# KiCad board data-center-rdimm-ddr5-tester.kicad_pcb (continued)
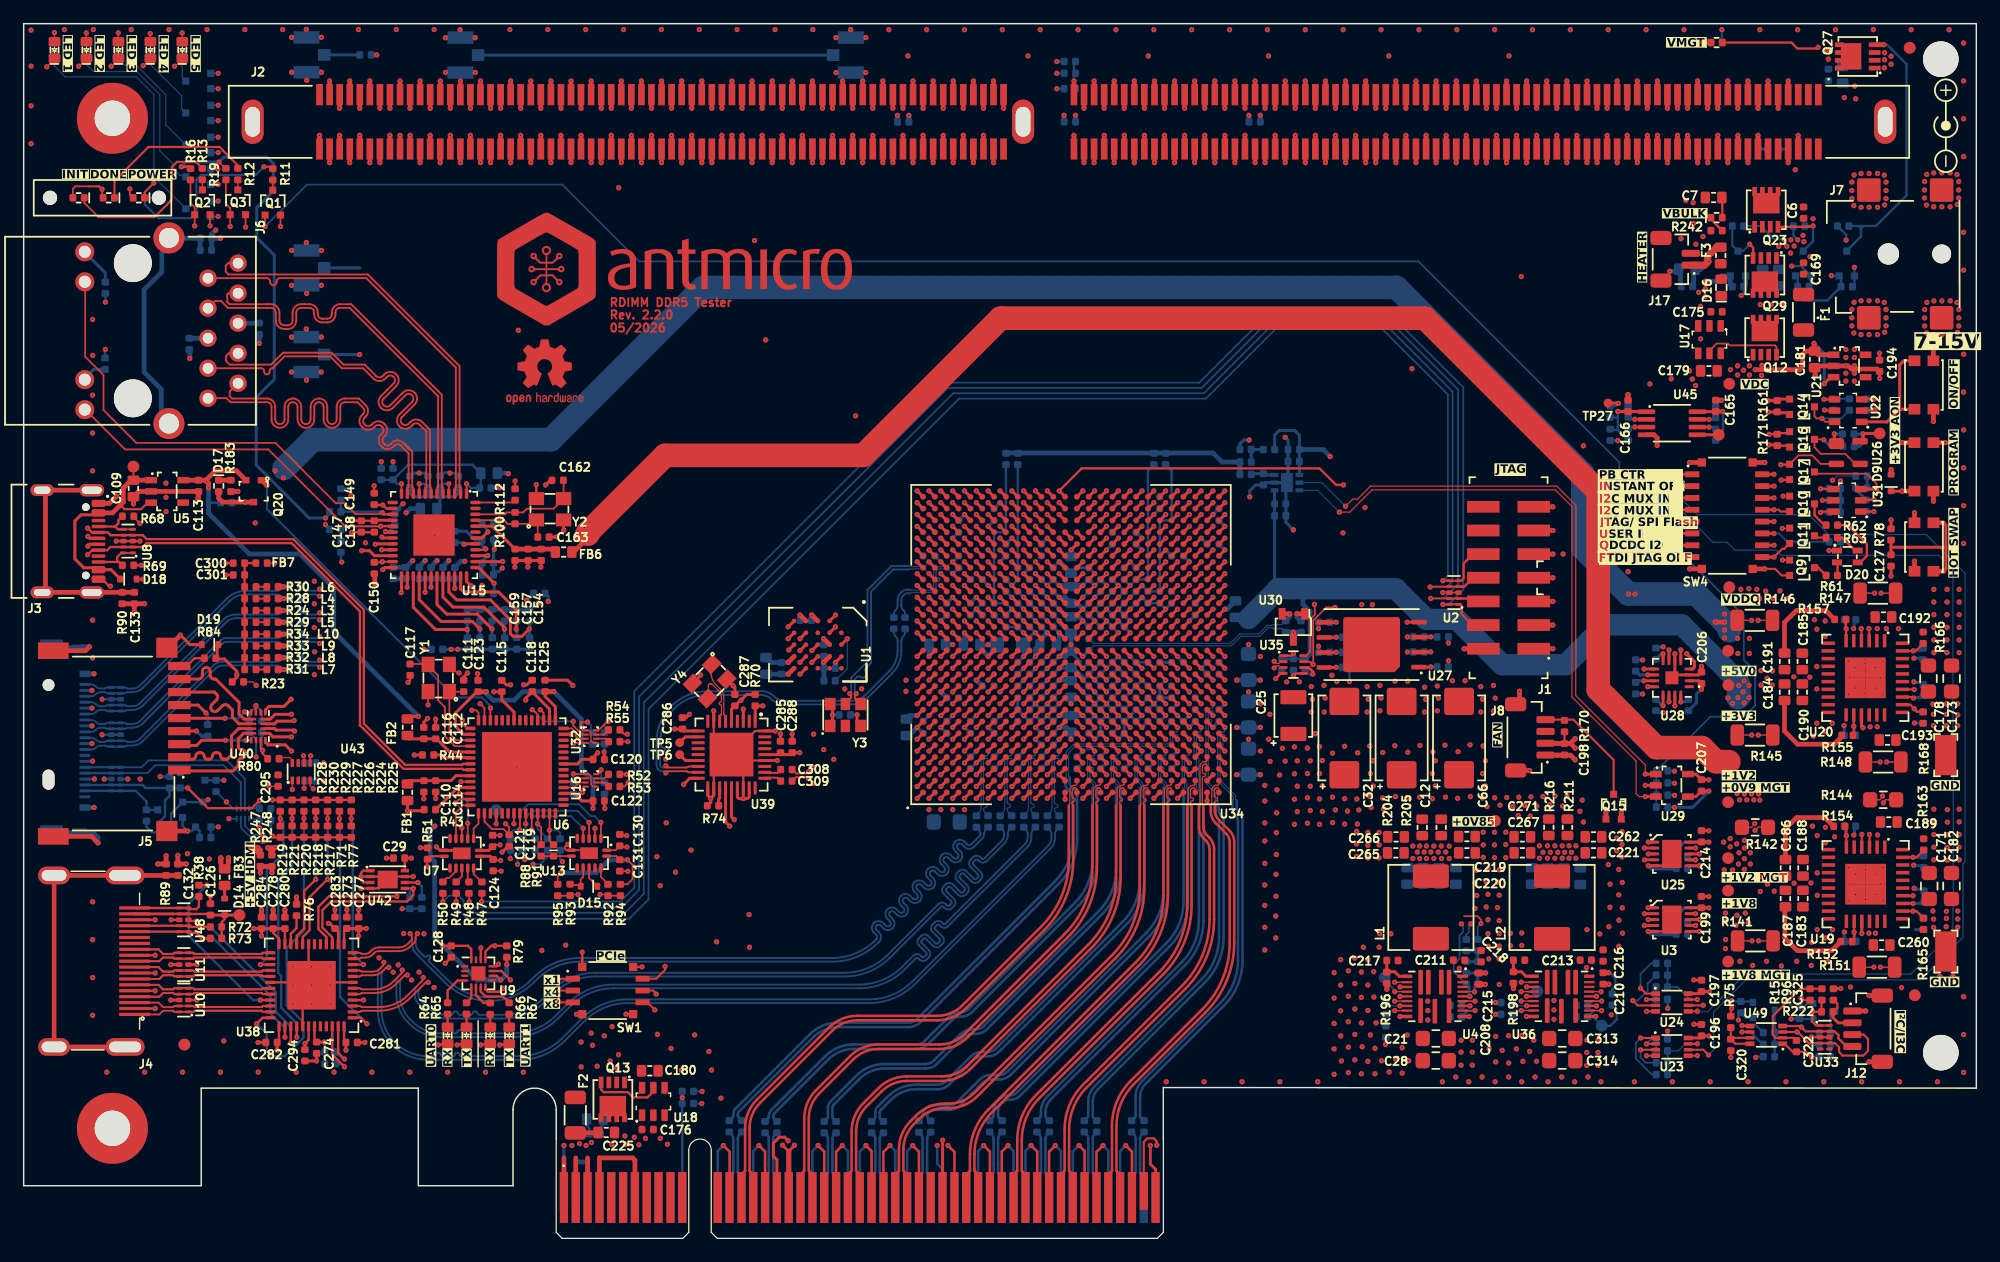
[diagram p0: board, top side]
## Routing (per net, layer and track width the routed paths; a pad name or vN(x,y) marks a point on that pad's centre or on a via; arc(x,y) is an arc through that point) (continued)
/DDR5 RDIMM/A.DQ0: length 113.3
  Top w0.256: U34.AA19 v1(96.5,56.2)
  Top w0.38: 146.55,96.7 v1(146.55,95.55)
  In2.Cu w0.148: v1(146.55,95.55) 145.97,94.97 145.97,92.38 146.6,91.75 146.6,90.75 144.05,88.2 139.1,88.2 124.9,74 122,74 120.54,72.54 arc(120.27,72.43) 120.01,72.54 119.78,72.77 arc(119.75,72.85) 119.78,72.93 arc(119.81,73.01) 119.78,73.09 119.62,73.25 arc(119.54,73.28) 119.46,73.25 arc(119.38,73.21) 119.3,73.25 118.78,73.77 arc(118.51,73.88) 118.25,73.77 arc(118.14,73.5) 118.25,73.24 119.48,72.01 arc(119.59,71.74) 119.48,71.48 arc(119.21,71.37) 118.95,71.48 117.72,72.71 arc(117.45,72.82) 117.19,72.71 arc(117.08,72.44) 117.19,72.18 118.42,70.95 arc(118.53,70.68) 118.42,70.42 arc(118.15,70.31) 117.89,70.42 116.66,71.65 arc(116.39,71.76) 116.12,71.65 arc(116.02,71.38) 116.12,71.12 117.36,69.89 arc(117.47,69.62) 117.36,69.36 arc(117.09,69.25) 116.83,69.36 115.59,70.59 arc(115.33,70.7) 115.06,70.59 arc(114.95,70.32) 115.06,70.06 116.3,68.83 arc(116.41,68.56) 116.3,68.3 arc(116.03,68.19) 115.77,68.3 114.53,69.53 arc(114.27,69.64) 114,69.53 arc(113.89,69.26) 114,69 115.24,67.77 arc(115.34,67.5) 115.24,67.23 114.95,66.95 114.95,65.6 114.47,65.12 arc(114.25,65.22) 114.15,65.45 114.15,67.1 arc(114.05,67.33) 113.82,67.42 arc(113.6,67.33) 113.5,67.1 113.5,66.95 arc(113.4,66.72) 113.18,66.62 111.49,66.62 arc(111.26,66.53) 111.17,66.3 arc(111.26,66.07) 111.49,65.97 113.18,65.97 arc(113.4,65.88) 113.5,65.65 113.5,65.45 arc(113.4,65.22) 113.18,65.12 111.88,65.12 111.58,64.83 arc(111.35,64.73) 111.12,64.83 110.62,65.32 arc(110.39,65.42) 110.16,65.32 arc(110.07,65.09) 110.16,64.86 110.66,64.37 arc(110.75,64.14) 110.66,63.91 arc(110.43,63.81) 110.2,63.91 109.7,64.4 arc(109.47,64.5) 109.24,64.4 arc(109.15,64.17) 109.24,63.94 109.74,63.45 arc(109.83,63.22) 109.74,62.99 arc(109.51,62.89) 109.28,62.99 108.78,63.48 arc(108.55,63.58) 108.32,63.48 arc(108.23,63.25) 108.32,63.02 108.82,62.53 arc(108.91,62.3) 108.82,62.07 arc(108.59,61.97) 108.36,62.07 107.86,62.56 arc(107.63,62.66) 107.41,62.56 arc(107.31,62.33) 107.41,62.1 107.9,61.61 arc(108,61.38) 107.9,61.15 107.85,61.1 107.85,59.6 103,54.75 98.39,54.75 98.1,55.03 98.1,55.3 97.6,55.8 97.22,55.8 96.82,56.2 v1(96.5,56.2)
/DDR5 RDIMM/A.DQ1: length 110.7
  Top w0.256: U34.AA20 v1(96.5,57.2)
  Top w0.38: J2.9 v1(144.85,95.55)
  In2.Cu w0.148: v1(96.5,57.2) 97.1,56.6 102.45,56.6 105.8,59.95 105.8,72.83 108.67,75.7 123.8,75.7 133.55,85.45 133.55,88.45 135.15,90.05 135.15,91.4 134.45,92.1 134.45,95.65 133.35,96.75 132.2,96.75 130.8,98.15 130.8,99.15 131.3,99.65 132.7,99.65 arc(132.98,99.53) 133.1,99.25 133.1,97.9 arc(133.22,97.62) 133.5,97.5 arc(133.78,97.62) 133.9,97.9 133.9,99.25 arc(134.02,99.53) 134.3,99.65 134.76,99.65 arc(135.03,99.54) 135.13,99.27 135.13,98.66 arc(135.24,98.39) 135.51,98.28 arc(135.78,98.39) 135.88,98.66 135.88,99.27 arc(135.99,99.54) 136.26,99.65 136.62,99.65 137.28,98.99 137.28,96.91 136.35,95.98 136.35,95.55 136.1,95.3 136.1,92.55 137,91.65 138.88,91.65 141.03,89.5 143.4,89.5 144.93,91.02 144.93,91.63 145.35,92.05 145.35,95.05 v1(144.85,95.55)
/DDR5 RDIMM/A.DQ2: length 112.7
  Top w0.256: U34.AB19 v1(97.5,56.2)
  Top w0.38: J2.152 v1(145.7,90.95)
  In2.Cu w0.148: v1(97.5,56.2) 97.8,56.2 98.25,55.75 102.8,55.75 106.8,59.75 106.8,63.7 arc(106.92,64) 107.22,64.12 107.53,64.12 arc(107.83,64.25) 107.95,64.55 arc(107.83,64.85) 107.53,64.97 107.22,64.97 arc(106.92,65.1) 106.8,65.4 arc(106.92,65.7) 107.22,65.82 109.22,65.82 arc(109.53,65.95) 109.65,66.25 arc(109.53,66.55) 109.22,66.67 107.22,66.67 arc(106.92,66.8) 106.8,67.1 106.8,67.2 arc(106.92,67.48) 107.2,67.6 112.5,67.6 arc(112.78,67.72) 112.9,68 arc(112.78,68.28) 112.5,68.4 107.2,68.4 arc(106.92,68.52) 106.8,68.8 arc(106.92,69.1) 107.22,69.22 108.22,69.22 arc(108.53,69.35) 108.65,69.65 arc(108.53,69.95) 108.22,70.07 107.22,70.07 arc(106.92,70.2) 106.8,70.5 arc(106.92,70.78) 107.2,70.9 arc(107.48,71.02) 107.6,71.3 107.6,71.35 arc(107.48,71.63) 107.2,71.75 arc(106.92,71.87) 106.8,72.15 106.8,72.57 109.12,74.9 112.9,74.9 arc(113.17,74.79) 113.28,74.52 113.28,73.38 arc(113.38,73.11) 113.65,73 arc(113.92,73.11) 114.03,73.38 114.03,74.52 arc(114.13,74.79) 114.4,74.9 arc(114.67,74.79) 114.78,74.52 114.78,72.92 arc(114.88,72.66) 115.15,72.55 arc(115.42,72.66) 115.53,72.92 115.53,74.52 arc(115.63,74.79) 115.9,74.9 arc(116.17,74.79) 116.28,74.52 116.28,74.42 arc(116.38,74.16) 116.65,74.05 arc(116.92,74.16) 117.03,74.42 117.03,74.52 arc(117.13,74.79) 117.4,74.9 124.4,74.9 135.56,86.06 arc(135.69,86.36) 135.56,86.66 134.61,87.62 arc(134.47,87.95) 134.61,88.29 arc(134.95,88.43) 135.28,88.29 136.2,87.37 arc(136.54,87.23) 136.87,87.37 arc(137.01,87.71) 136.87,88.04 135.95,88.96 arc(135.81,89.3) 135.95,89.63 arc(136.29,89.77) 136.63,89.63 arc(136.84,89.54) 137.05,89.63 137.49,90.08 arc(137.71,90.17) 137.92,90.08 arc(138.01,89.87) 137.92,89.65 137.47,89.21 arc(137.39,89) 137.47,88.78 137.59,88.67 arc(137.88,88.55) 138.17,88.67 138.4,88.9 138.7,88.9 arc(138.93,89) 139.03,89.22 arc(139.12,89.45) 139.35,89.55 arc(139.58,89.45) 139.68,89.22 arc(139.77,89) 140,88.9 143.75,88.9 145.7,90.86 v1(145.7,90.95)
/DDR5 RDIMM/A.DQ3: length 110.4
  Top w0.256: U34.AB20 v1(97.5,57.2)
  Top w0.38: J2.154 v1(144,90.95)
  In2.Cu w0.148: v1(144,90.95) 143.25,90.2 141.25,90.2 140.6,90.85 arc(140.47,91.17) 140.6,91.49 140.81,91.7 arc(140.94,92.02) 140.81,92.34 arc(140.49,92.47) 140.17,92.34 139.96,92.13 arc(139.64,91.99) 139.32,92.12 139.15,92.3 137.25,92.3 136.6,92.95 136.6,93.85 137.1,94.35 137.95,94.35 138.1,94.5 138.1,97 139.95,98.85 139.95,100.13 139.07,101 138.37,101 arc(138.16,100.92) 138.08,100.72 arc(137.99,100.51) 137.79,100.43 137.57,100.43 arc(137.36,100.51) 137.28,100.72 arc(137.19,100.92) 136.99,101 136.77,101 arc(136.56,100.92) 136.48,100.72 arc(136.39,100.51) 136.19,100.43 135.97,100.43 arc(135.76,100.51) 135.68,100.72 arc(135.59,100.92) 135.39,101 135.17,101 arc(134.96,100.92) 134.88,100.72 arc(134.79,100.51) 134.59,100.43 134.37,100.43 arc(134.16,100.51) 134.08,100.72 arc(133.99,100.92) 133.79,101 133.57,101 arc(133.36,100.92) 133.28,100.72 arc(133.19,100.51) 132.99,100.43 132.77,100.43 arc(132.56,100.51) 132.48,100.72 arc(132.39,100.92) 132.19,101 131.97,101 arc(131.76,100.92) 131.68,100.72 arc(131.59,100.51) 131.39,100.43 131.17,100.43 arc(130.96,100.51) 130.88,100.72 arc(130.79,100.92) 130.59,101 130.35,101 129.3,99.95 129.3,99.61 arc(129.41,99.34) 129.68,99.23 129.82,99.23 arc(130.09,99.13) 130.2,98.86 arc(130.09,98.59) 129.82,98.48 129.68,98.48 arc(129.41,98.38) 129.3,98.11 129.3,97.8 130.46,96.64 131.04,96.64 132.4,95.29 132.4,95.12 arc(132.5,94.87) 132.75,94.77 133.35,94.77 arc(133.6,94.67) 133.7,94.42 arc(133.6,94.17) 133.35,94.07 132.75,94.07 arc(132.5,93.97) 132.4,93.72 132.4,92.45 133.6,91.25 133.6,90.49 132.55,89.44 132.55,86.05 123.1,76.6 108.35,76.6 104.97,73.22 104.97,60.22 102.35,57.6 98.2,57.6 97.8,57.2 v1(97.5,57.2)
/DDR5 RDIMM/A.DQ4: length 110.9
  Top w0.256: U34.AA18 v1(96.5,55.2)
  Top w0.38: J2.14 v1(140.6,95.55)
  In2.Cu w0.148: v1(140.6,95.55) 140.38,95.77 140.38,97.43 142.54,99.6 149.95,99.6 152.05,97.5 152.05,89.55 146.22,83.72 146.01,83.51 arc(145.78,83.41) 145.55,83.51 145.08,83.98 arc(144.85,84.08) 144.62,83.98 arc(144.52,83.75) 144.62,83.52 145.09,83.05 arc(145.18,82.82) 145.09,82.59 144.6,82.1 144.43,82.1 arc(144.18,82.2) 144.07,82.45 144.07,83.2 arc(143.97,83.45) 143.72,83.55 arc(143.48,83.45) 143.38,83.2 143.38,82.45 arc(143.27,82.2) 143.03,82.1 142.35,82.1 140.18,79.92 140.18,79.7 arc(140.27,79.47) 140.5,79.37 140.75,79.37 arc(140.98,79.28) 141.08,79.05 arc(140.98,78.82) 140.75,78.72 140.5,78.72 arc(140.27,78.63) 140.18,78.4 140.18,78.17 121.85,59.85 116.45,59.85 108.35,51.75 107.15,51.75 106.05,50.65 104.65,50.65 104.22,51.07 102.9,51.07 102.18,50.35 95.68,50.35 95.03,51 95.03,54.33 95.45,54.75 96.05,54.75 v1(96.5,55.2)
/DDR5 RDIMM/A.DQ5: length 109.4
  Top w0.256: U34.Y18 v1(95.5,55.2)
  Top w0.38: J2.16 v1(138.9,95.55)
  In2.Cu w0.148: v1(95.5,55.2) 95.2,55.2 94.72,54.72 94.3,54.72 94,54.42 94,51.07 95.12,49.95 102.57,49.95 103.25,50.62 103.74,50.62 104.11,50.25 108.75,50.25 110.15,51.65 110.15,52.25 110.6,52.7 111.2,52.7 117.5,59 122.57,59 152.95,89.37 152.95,97.53 150.3,100.17 142.28,100.17 138.9,96.8 v1(138.9,95.55)
/DDR5 RDIMM/A.DQ6: length 112.1
  Top w0.256: U34.AA17 v1(96.5,54.2)
  Top w0.38: 139.75,92.1 v1(139.75,93.25)
  In2.Cu w0.1: 96.95,52.28 96.51,52.72 96.32,52.72 96.12,52.93 96.12,53.37 96.5,53.75 v1(96.5,54.2)
  In2.Cu w0.148: 96.95,52.28 96.97,52.26 96.97,51.92 97.15,51.75 101.97,51.75 102.27,52.05 104.65,52.05 114.2,61.6 120.85,61.6 122.63,63.38 arc(122.72,63.59) 122.63,63.8 122.35,64.08 arc(122.27,64.29) 122.35,64.5 arc(122.57,64.59) 122.78,64.5 123.05,64.23 arc(123.27,64.14) 123.48,64.23 arc(123.57,64.44) 123.48,64.65 123.2,64.93 arc(123.11,65.14) 123.2,65.35 arc(123.41,65.44) 123.63,65.35 123.9,65.08 arc(124.11,64.99) 124.33,65.08 arc(124.41,65.29) 124.33,65.5 124.05,65.78 arc(123.96,65.99) 124.05,66.2 arc(124.26,66.29) 124.47,66.2 124.75,65.92 arc(124.96,65.84) 125.17,65.92 arc(125.26,66.14) 125.17,66.35 124.9,66.62 arc(124.81,66.84) 124.9,67.05 arc(125.11,67.14) 125.32,67.05 125.6,66.77 arc(125.81,66.68) 126.02,66.77 arc(126.11,66.98) 126.02,67.2 125.75,67.47 arc(125.66,67.68) 125.75,67.9 arc(125.96,67.98) 126.17,67.9 126.45,67.62 arc(126.66,67.53) 126.87,67.62 arc(126.96,67.83) 126.87,68.05 126.6,68.32 arc(126.51,68.53) 126.6,68.74 arc(126.81,68.83) 127.02,68.74 127.3,68.47 arc(127.51,68.38) 127.72,68.47 arc(127.81,68.68) 127.72,68.89 127.44,69.17 arc(127.36,69.38) 127.44,69.59 arc(127.66,69.68) 127.87,69.59 128.14,69.32 arc(128.36,69.23) 128.57,69.32 arc(128.66,69.53) 128.57,69.74 128.29,70.02 arc(128.21,70.23) 128.29,70.44 arc(128.51,70.53) 128.72,70.44 128.99,70.17 arc(129.2,70.08) 129.42,70.17 arc(129.5,70.38) 129.42,70.59 129.14,70.87 arc(129.05,71.08) 129.14,71.29 arc(129.35,71.38) 129.57,71.29 129.84,71.02 arc(130.05,70.93) 130.27,71.02 arc(130.35,71.23) 130.27,71.44 129.99,71.71 arc(129.9,71.93) 129.99,72.14 arc(130.2,72.23) 130.41,72.14 130.69,71.86 arc(130.9,71.78) 131.11,71.86 arc(131.2,72.08) 131.11,72.29 130.84,72.56 arc(130.75,72.78) 130.84,72.99 arc(131.05,73.08) 131.26,72.99 131.54,72.71 arc(131.75,72.62) 131.96,72.71 132.2,72.95 132.2,74.1 143.32,85.22 145.55,85.22 150.38,90.05 150.38,97.32 149.28,98.42 143.7,98.42 141.85,96.57 141.85,95.35 v1(139.75,93.25)
/DDR5 RDIMM/A.DQ7: length 111.3
  Top w0.256: U34.Y17 v1(95.5,54.2)
  Top w0.38: J2.161 v1(138.05,93.25)
  In2.Cu w0.1: v1(95.5,54.2) 95.5,53.82 95.88,53.45 95.88,52.57 95.97,52.47
  In2.Cu w0.148: 95.97,52.47 95.97,51 96.25,50.72 101.85,50.72 102.65,51.52 104.43,51.52 104.95,51 105.65,51 106.95,52.3 107.95,52.3 108.35,52.7 108.35,53.75 115.28,60.67 121.43,60.67 132.93,72.18 133.19,72.44 arc(133.29,72.68) 133.19,72.93 133,73.12 arc(132.89,73.37) 133,73.61 arc(133.24,73.72) 133.49,73.61 133.68,73.43 arc(133.93,73.32) 134.18,73.43 arc(134.28,73.67) 134.18,73.92 133.99,74.11 arc(133.88,74.36) 133.99,74.6 arc(134.23,74.71) 134.48,74.6 134.67,74.42 arc(134.92,74.31) 135.17,74.42 arc(135.27,74.66) 135.17,74.91 134.98,75.1 arc(134.87,75.35) 134.98,75.59 arc(135.22,75.7) 135.47,75.59 135.66,75.41 arc(135.91,75.3) 136.16,75.41 arc(136.26,75.65) 136.16,75.9 135.97,76.09 arc(135.86,76.34) 135.97,76.58 arc(136.21,76.69) 136.46,76.58 136.65,76.4 arc(136.9,76.29) 137.15,76.4 arc(137.25,76.64) 137.15,76.89 136.96,77.08 arc(136.85,77.33) 136.96,77.57 arc(137.2,77.68) 137.45,77.57 137.64,77.39 arc(137.89,77.28) 138.14,77.39 arc(138.24,77.63) 138.14,77.88 137.95,78.07 arc(137.84,78.32) 137.95,78.56 arc(138.19,78.67) 138.44,78.56 138.63,78.37 arc(138.88,78.27) 139.12,78.37 139.3,78.55 139.3,80.15 143.72,84.57 145.93,84.57 151.25,89.9 151.25,97.31 149.56,99 143.35,99 141.22,96.87 141.22,95.52 139.88,94.18 138.97,94.18 v1(138.05,93.25)
/DDR5 RDIMM/A.DQ8: length 82.7
  Top w0.256: U34.AF18 v1(101.5,55.2)
  Top w0.38: J2.18 v1(137.2,95.55)
  In4.Cu w0.148: v1(137.2,95.55) 136.65,95 136.65,92.25 137,91.9 137,85.8 136.5,85.3 136.5,78.95 127.85,70.3 arc(127.46,70.14) 127.07,70.3 125.73,71.64 arc(125.3,71.82) 124.88,71.64 arc(124.7,71.22) 124.88,70.79 125.15,70.52 arc(125.25,70.28) 125.15,70.03 124.94,69.82 arc(124.83,69.57) 124.94,69.32 arc(125.18,69.22) 125.43,69.32 125.64,69.53 arc(125.89,69.64) 126.14,69.53 126.31,69.37 arc(126.43,69.06) 126.31,68.76 118.82,61.27 113.55,61.27 113.28,61 arc(113.17,60.75) 113.28,60.51 113.45,60.33 arc(113.68,60.23) 113.91,60.33 114.16,60.58 arc(114.39,60.67) 114.62,60.58 arc(114.72,60.35) 114.62,60.12 114.37,59.87 arc(114.28,59.64) 114.37,59.41 114.83,58.95 arc(114.94,58.7) 114.83,58.46 arc(114.59,58.35) 114.34,58.46 112.78,60.01 arc(112.53,60.12) 112.29,60.01 112.23,59.96 arc(112.12,59.69) 112.23,59.43 113.06,58.61 arc(113.17,58.34) 113.06,58.08 arc(112.79,57.97) 112.53,58.08 111.7,58.9 arc(111.44,59.01) 111.17,58.9 arc(111.06,58.63) 111.17,58.37 111.75,57.79 arc(111.86,57.53) 111.75,57.26 arc(111.48,57.15) 111.22,57.26 110.64,57.84 arc(110.38,57.95) 110.11,57.84 109.88,57.6 108.8,57.6 106.4,55.2 v1(101.5,55.2)
/DDR5 RDIMM/A.DQ9: length 82.8
  Top w0.256: U34.AF19 v1(101.5,56.2)
  Top w0.38: J2.20 v1(135.5,95.55)
  In4.Cu w0.148: v1(101.5,56.2) 105.25,56.2 112.38,63.32 116.93,63.32 121.07,67.47 121.07,67.67 arc(121.18,67.92) 121.43,68.02 122.64,68.02 arc(122.89,68.13) 122.99,68.38 arc(122.89,68.62) 122.64,68.72 121.43,68.72 arc(121.18,68.83) 121.07,69.07 arc(121.18,69.32) 121.43,69.42 122.64,69.42 arc(122.89,69.53) 122.99,69.77 arc(122.89,70.02) 122.64,70.12 121.43,70.12 arc(121.18,70.23) 121.07,70.47 arc(121.18,70.72) 121.43,70.82 122.64,70.82 arc(122.89,70.93) 122.99,71.17 arc(122.89,71.42) 122.64,71.52 121.43,71.52 arc(121.18,71.63) 121.07,71.88 arc(121.18,72.12) 121.43,72.22 122.64,72.22 arc(122.89,72.33) 122.99,72.57 arc(122.89,72.82) 122.64,72.92 121.43,72.92 arc(121.18,73.03) 121.07,73.27 121.07,73.9 122.03,74.85 122.35,74.85 arc(122.62,74.74) 122.72,74.47 122.72,73.88 arc(122.83,73.61) 123.1,73.5 arc(123.37,73.61) 123.47,73.88 123.47,74.47 arc(123.58,74.74) 123.85,74.85 arc(124.12,74.74) 124.22,74.47 124.22,73.88 arc(124.33,73.61) 124.6,73.5 arc(124.87,73.61) 124.97,73.88 124.97,74.47 arc(125.08,74.74) 125.35,74.85 arc(125.62,74.74) 125.72,74.47 125.72,73.88 arc(125.83,73.61) 126.1,73.5 arc(126.37,73.61) 126.47,73.88 126.47,74.47 arc(126.58,74.74) 126.85,74.85 127.3,74.85 134.28,81.82 134.28,85.55 135.55,86.82 135.55,92.15 136,92.6 136,95.15 135.6,95.55 v1(135.5,95.55)
/DDR5 RDIMM/A.DQ10: length 84.8
  Top w0.256: U34.AC19 v1(98.5,56.2)
  Top w0.38: J2.163 v1(136.35,90.95)
  In4.Cu w0.148: 98.5,56.2 98.83,56.2 99.39,55.64 105.84,55.64 108.74,58.54 109.31,58.54 113.1,62.32 118.1,62.32 123.85,68.07 123.85,72 124.6,72.75 126.03,72.75 126.88,71.9 arc(127.04,71.79) 127.23,71.75 127.37,71.75 arc(127.56,71.79) 127.72,71.9 127.95,72.12 arc(128.05,72.35) 127.95,72.58 127.28,73.25 arc(127.19,73.48) 127.28,73.71 arc(127.51,73.81) 127.74,73.71 128.41,73.04 arc(128.64,72.95) 128.87,73.04 arc(128.96,73.27) 128.87,73.5 128.2,74.17 arc(128.11,74.4) 128.2,74.63 arc(128.43,74.73) 128.66,74.63 129.33,73.96 arc(129.56,73.87) 129.79,73.96 arc(129.88,74.19) 129.79,74.42 129.12,75.09 arc(129.03,75.32) 129.12,75.55 arc(129.35,75.65) 129.58,75.55 130.25,74.88 arc(130.48,74.79) 130.71,74.88 arc(130.8,75.11) 130.71,75.34 130.04,76.01 arc(129.94,76.24) 130.04,76.47 arc(130.27,76.57) 130.5,76.47 131.17,75.8 arc(131.4,75.71) 131.63,75.8 arc(131.72,76.03) 131.63,76.26 130.96,76.93 arc(130.86,77.16) 130.96,77.39 arc(131.19,77.48) 131.42,77.39 132.09,76.72 arc(132.32,76.63) 132.55,76.72 arc(132.64,76.95) 132.55,77.18 131.88,77.85 arc(131.78,78.08) 131.88,78.31 arc(132.11,78.4) 132.34,78.31 133.01,77.64 arc(133.24,77.55) 133.47,77.64 arc(133.56,77.87) 133.47,78.1 132.8,78.77 arc(132.7,79) 132.8,79.23 arc(133.03,79.32) 133.26,79.23 133.93,78.56 arc(134.15,78.46) 134.38,78.56 arc(134.48,78.79) 134.38,79.02 133.72,79.69 arc(133.62,79.92) 133.72,80.15 arc(133.95,80.24) 134.18,80.15 134.84,79.48 arc(135.07,79.38) 135.3,79.48 135.4,79.57 135.4,85.2 136.35,86.15 v1(136.35,90.95)
/DDR5 RDIMM/A.DQ11: length 84.8
  Top w0.256: U34.AD19 v1(99.5,56.2)
  Top w0.38: J2.165 v1(134.65,90.95)
  In4.Cu w0.148: 99.5,56.2 100.01,56.71 104.66,56.71 108.53,60.57 108.53,60.92 arc(108.64,61.21) 108.93,61.32 109.12,61.32 arc(109.41,61.44) 109.53,61.72 arc(109.41,62.01) 109.12,62.12 108.93,62.12 arc(108.64,62.24) 108.53,62.52 108.53,63.67 109.12,64.27 109.47,64.27 arc(109.78,64.15) 109.9,63.85 109.9,63.15 arc(110.02,62.85) 110.32,62.72 arc(110.63,62.85) 110.75,63.15 110.75,63.85 arc(110.87,64.15) 111.18,64.27 115.78,64.27 119.72,68.22 119.72,74.97 121.95,77.2 122.22,77.2 arc(122.54,77.07) 122.68,76.75 122.68,76.09 arc(122.81,75.78) 123.12,75.64 arc(123.44,75.78) 123.57,76.09 123.57,76.75 arc(123.71,77.07) 124.03,77.2 arc(124.34,77.07) 124.47,76.75 124.47,76.09 arc(124.61,75.78) 124.93,75.64 arc(125.24,75.78) 125.38,76.09 125.38,76.75 arc(125.51,77.07) 125.82,77.2 arc(126.14,77.07) 126.28,76.75 126.28,76.09 arc(126.41,75.78) 126.72,75.64 arc(127.04,75.78) 127.18,76.09 127.18,76.75 arc(127.31,77.07) 127.62,77.2 127.97,77.2 128.31,77.54 arc(128.43,77.82) 128.31,78.1 127.78,78.63 arc(127.67,78.92) 127.78,79.2 arc(128.07,79.32) 128.35,79.2 128.88,78.67 arc(129.16,78.55) 129.44,78.67 arc(129.56,78.95) 129.44,79.23 128.91,79.76 arc(128.8,80.05) 128.91,80.33 arc(129.2,80.45) 129.48,80.33 130.01,79.8 arc(130.29,79.68) 130.58,79.8 arc(130.69,80.08) 130.58,80.37 130.04,80.9 arc(129.93,81.18) 130.04,81.46 arc(130.33,81.58) 130.61,81.46 131.14,80.93 arc(131.42,80.81) 131.71,80.93 arc(131.82,81.21) 131.71,81.5 131.18,82.03 arc(131.06,82.31) 131.18,82.59 arc(131.46,82.71) 131.74,82.59 132.27,82.06 arc(132.56,81.95) 132.84,82.06 133.18,82.4 133.18,82.87 arc(133,83.3) 132.57,83.47 131.68,83.47 arc(131.25,83.65) 131.07,84.07 arc(131.25,84.5) 131.68,84.67 132.57,84.67 arc(133,84.85) 133.18,85.27 133.18,85.77 134.65,87.25 v1(134.65,90.95)
/DDR5 RDIMM/A.DQ12: length 81.1
  Top w0.256: U34.AE16 v1(100.5,53.2)
  Top w0.38: J2.25 v1(131.25,95.55)
  In4.Cu w0.148: v1(100.5,53.2) 100.9,53.6 101.8,53.6 102.95,54.75 107,54.75 108.57,56.32 112.75,56.32 113.95,57.52 116.92,57.52 117.12,57.72 arc(117.25,58.02) 117.12,58.32 115.8,59.65 arc(115.67,59.95) 115.8,60.25 arc(116.1,60.37) 116.4,60.25 117.72,58.92 arc(118.02,58.8) 118.32,58.92 arc(118.45,59.22) 118.32,59.52 118.16,59.68 arc(118.04,59.98) 118.16,60.28 arc(118.46,60.41) 118.76,60.28 118.92,60.12 arc(119.22,60) 119.53,60.12 137.6,78.2 137.6,95.9 136.3,97.2 132.3,97.2 131.25,96.15 v1(131.25,95.55)
/DDR5 RDIMM/A.DQ13: length 81.9
  Top w0.256: U34.AD16 v1(99.5,53.2)
  Top w0.38: 129.55,96.7 v1(129.55,95.55)
  In4.Cu w0.148: v1(129.55,95.55) 129.55,96.01 131.94,98.4 136.55,98.4 138.25,96.7 138.25,94.1 138.65,93.7 138.65,92.6 138.35,92.3 138.35,90.45 138.55,90.25 138.55,77.4 117.6,56.45 114.65,56.45 113.45,55.25 108.45,55.25 107.5,54.3 103.4,54.3 101.8,52.7 100,52.7 v1(99.5,53.2)
/DDR5 RDIMM/A.DQ14: length 81.6
  Top w0.256: U34.AF17 v1(101.5,54.2)
  Top w0.38: J2.170 v1(130.4,90.95)
  In4.Cu w0.148: v1(101.5,54.2) 101,54.7 97.2,54.7 97,54.9 97,59.26 97.44,59.7 103.45,59.7 104.4,60.65 104.4,66.5 106.07,68.17 112.78,68.17 115,70.4 115,78.9 118.65,82.55 118.65,87.75 119.35,88.45 119.75,88.45 arc(120.03,88.33) 120.15,88.05 120.15,87.51 arc(120.27,87.22) 120.55,87.11 arc(120.83,87.22) 120.95,87.51 120.95,88.05 arc(121.07,88.33) 121.35,88.45 arc(121.63,88.33) 121.75,88.05 121.75,87.51 arc(121.87,87.22) 122.15,87.11 arc(122.43,87.22) 122.55,87.51 122.55,88.05 arc(122.67,88.33) 122.95,88.45 arc(123.23,88.33) 123.35,88.05 123.35,87.51 arc(123.47,87.22) 123.75,87.11 arc(124.03,87.22) 124.15,87.51 124.15,88.05 arc(124.27,88.33) 124.55,88.45 arc(124.83,88.33) 124.95,88.05 124.95,87.51 arc(125.07,87.22) 125.35,87.11 arc(125.63,87.22) 125.75,87.51 125.75,88.05 arc(125.87,88.33) 126.15,88.45 arc(126.43,88.33) 126.55,88.05 126.55,87.51 arc(126.67,87.22) 126.95,87.11 arc(127.23,87.22) 127.35,87.51 127.35,88.05 arc(127.47,88.33) 127.75,88.45 127.9,88.45 128.12,88.67 arc(128.34,88.76) 128.55,88.67 128.77,88.45 arc(128.98,88.36) 129.2,88.45 arc(129.28,88.66) 129.2,88.88 128.97,89.1 arc(128.89,89.31) 128.97,89.52 arc(129.19,89.61) 129.4,89.52 129.62,89.3 arc(129.83,89.21) 130.04,89.3 arc(130.13,89.51) 130.04,89.73 129.82,89.95 arc(129.73,90.16) 129.82,90.37 v1(130.4,90.95)
/DDR5 RDIMM/A.DQ15: length 82.1
  Top w0.256: U34.AE17 v1(100.5,54.2)
  Top w0.38: J2.172 v1(128.7,90.95)
  In4.Cu w0.148: v1(128.7,90.95) 127.35,89.6 118.55,89.6 117.65,88.7 117.65,83.55 113.6,79.5 113.6,78.57 arc(113.35,77.97) 112.75,77.72 111.05,77.72 arc(110.45,77.48) 110.2,76.87 arc(110.45,76.27) 111.05,76.02 112.75,76.02 arc(113.35,75.78) 113.6,75.17 113.6,70.88 111.88,69.15 107.82,69.15 arc(107.31,69.36) 107.1,69.88 107.1,72.42 arc(106.89,72.93) 106.38,73.14 arc(105.86,72.93) 105.65,72.42 105.65,69.88 arc(105.44,69.36) 104.93,69.15 104.6,69.15 102.95,67.5 102.95,61.5 102.15,60.7 96.4,60.7 96,60.3 96,53.95 96.25,53.7 U34.AE17 v1(100.5,54.2)
/DDR5 RDIMM/A.DQ16: length 75.8
  Top w0.256: U34.AD23 v1(99.5,60.2)
  Top w0.38: J2.29 v1(127.85,95.55)
  In2.Cu w0.148: 101.7,60.71 102.1,61.11 102.1,77.4 102.44,77.74 arc(102.55,78.02) 102.44,78.3 102.22,78.52 arc(102.01,78.61) 101.79,78.52 101.77,78.5 arc(101.56,78.41) 101.35,78.5 arc(101.26,78.71) 101.35,78.92 101.37,78.95 arc(101.46,79.16) 101.37,79.37 arc(101.16,79.46) 100.94,79.37 100.92,79.35 arc(100.71,79.26) 100.5,79.35 arc(100.41,79.56) 100.5,79.77 100.52,79.8 arc(100.61,80.01) 100.52,80.22 100.16,80.58 arc(100.04,80.87) 100.16,81.15 arc(100.44,81.27) 100.72,81.15 103,78.87 arc(103.29,78.75) 103.57,78.87 arc(103.69,79.15) 103.57,79.43 102.42,80.58 arc(102.3,80.87) 102.42,81.15 arc(102.7,81.27) 102.99,81.15 104.13,80 arc(104.42,79.88) 104.7,80 104.86,80.16 105.41,80.16 arc(105.64,80.25) 105.73,80.48 arc(105.83,80.71) 106.06,80.81 106.11,80.81 arc(106.34,80.71) 106.43,80.48 arc(106.53,80.25) 106.76,80.16 106.81,80.16 arc(107.04,80.25) 107.13,80.48 arc(107.23,80.71) 107.46,80.81 107.51,80.81 arc(107.74,80.71) 107.83,80.48 arc(107.93,80.25) 108.16,80.16 108.21,80.16 arc(108.44,80.25) 108.53,80.48 arc(108.63,80.71) 108.86,80.81 108.91,80.81 arc(109.14,80.71) 109.23,80.48 arc(109.33,80.25) 109.56,80.16 120.81,80.16 128.25,87.6 128.25,91.67 128.64,92.06 128.64,93.86 127.85,94.65 v1(127.85,95.55)
  In2.Cu w0.15: 101.7,60.71 101.31,60.71 101,60.4 101,60.04 100.66,59.7 100,59.7 v1(99.5,60.2)
/DDR5 RDIMM/A.DQ17: length 75.1
  Top w0.256: U34.AE23 v1(100.5,60.2)
  Top w0.38: J2.31 v1(126.15,95.55)
  In2.Cu w0.148: 101,61.2 101,77.1 98.85,79.25 arc(98.76,79.46) 98.85,79.67 98.87,79.7 arc(98.96,79.91) 98.87,80.12 arc(98.66,80.21) 98.45,80.12 98.43,80.1 arc(98.21,80.01) 98,80.1 97.65,80.45 97.65,81.35 98.15,81.85 110.24,81.85 arc(110.52,81.74) 110.63,81.46 arc(110.74,81.18) 111.02,81.07 111.29,81.07 arc(111.57,81.18) 111.68,81.46 arc(111.79,81.74) 112.07,81.85 112.34,81.85 arc(112.62,81.74) 112.73,81.46 arc(112.84,81.18) 113.12,81.07 113.39,81.07 arc(113.67,81.18) 113.78,81.46 arc(113.89,81.74) 114.17,81.85 114.44,81.85 arc(114.72,81.74) 114.83,81.46 arc(114.94,81.18) 115.22,81.07 115.49,81.07 arc(115.77,81.18) 115.88,81.46 arc(115.99,81.74) 116.27,81.85 116.54,81.85 arc(116.82,81.74) 116.93,81.46 arc(117.04,81.18) 117.32,81.07 117.59,81.07 arc(117.87,81.18) 117.98,81.46 arc(118.09,81.74) 118.37,81.85 118.64,81.85 arc(118.92,81.74) 119.03,81.46 arc(119.14,81.18) 119.42,81.07 119.69,81.07 arc(119.97,81.18) 120.08,81.46 arc(120.19,81.74) 120.47,81.85 121,81.85 127.65,88.5 127.65,91.25 127.1,91.8 127.1,93.55 arc(126.98,93.83) 126.7,93.95 125,93.95 arc(124.72,94.07) 124.6,94.35 arc(124.72,94.63) 125,94.75 126.7,94.75 arc(126.98,94.87) 127.1,95.15 127.1,95.25 126.8,95.55 v1(126.15,95.55)
  In2.Cu w0.15: v1(100.5,60.2) 100.5,60.5 101,61 101,61.2
